# Allegro board RK3588S_Template_LP5D315P232SD10H2_42x42_2750MHz_1R2_V10_20220413YWQ.brd (continued)
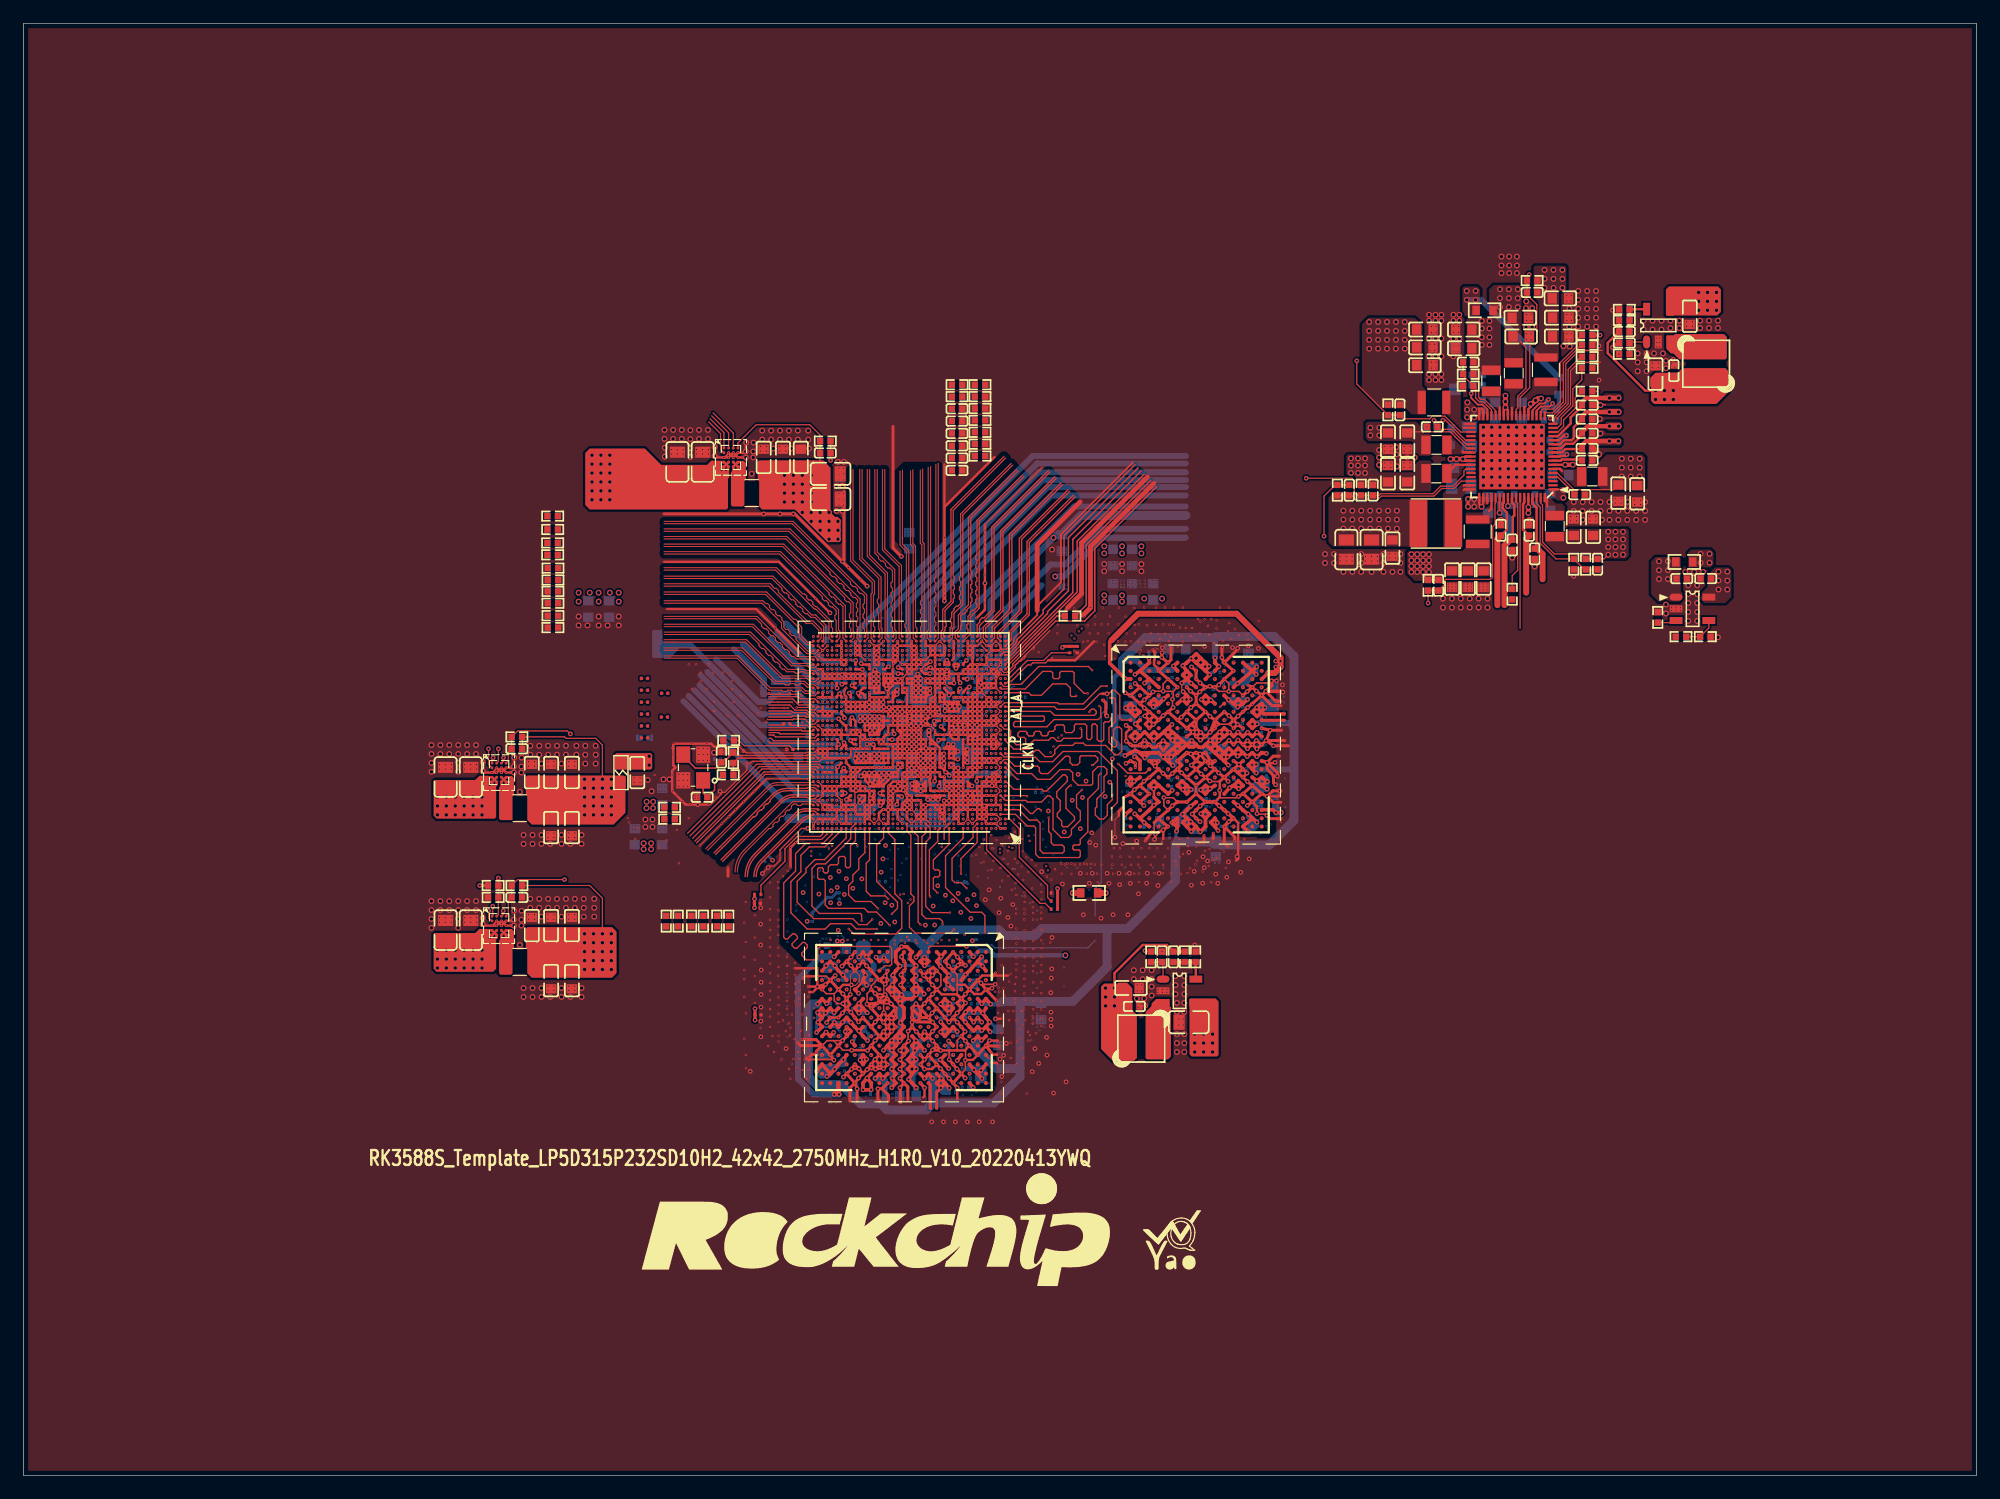
[diagram p0: board, top side]
## Routing (per net, layer and track width the routed paths; a pad name or vN(x,y) marks a point on that pad's centre or on a via; arc(x,y) is an arc through that point) (continued)
  TOP w0.107: v3(90.93,66.84) 90.62,66.84 89.77,67.69 89.77,68.58 89.64,68.71 88.66,68.71 88.54,68.59 88.54,68.21 88.42,68.09 88.06,68.09 87.94,68.21 87.94,68.59 87.82,68.71 87.09,68.71 85.59,67.21 83.58,67.21 U1000.AL2
  L3-S1 w0.064: v4(91.38,66.84) v3(90.93,66.84) ; v3(102.61,64.55) 102.89,64.26 v4(102.93,64.26)
  L6-S2 w0.081: v4(102.93,64.26) 103.38,64.71 103.38,65.15 103.29,65.24 102.61,65.24 102.6,65.25 102.39,65.25 102.23,65.41 102.23,65.79 101.92,66.1 101.92,66.25 100.82,67.36 99.17,67.36 99.15,67.34 98.62,67.34 98.52,67.44 98.23,67.44 98.16,67.36 98.16,67.22 98.08,67.14 97.83,67.14 97.75,67.22 97.75,67.75 97.52,67.98 97.52,68.39 97.12,68.8 96.91,68.8 96.84,68.73 96.84,68.42 97.05,68.21 97.05,68.07 96.92,67.94 96.57,67.94 95.81,67.19 95.81,66.71 95.73,66.63 95.02,66.63 94.75,66.36 94.09,66.36 93.46,66.98 93.16,66.98 92.9,67.24 91.78,67.24 91.66,67.12 91.66,66.72 91.59,66.64 91.46,66.64 91.38,66.72 v4(91.38,66.84)
DDR_CH0_A3_B: length 25.1
  TOP w0.107: v3(92.04,59.99) 92.02,59.99 91.85,59.82 91.85,58.71 90.94,57.8 90.94,55 90.3,54.36 90.3,53.99 90.19,53.88 89.77,53.88 89.66,53.77 89.66,53.56 89.77,53.45 90.19,53.45 90.3,53.35 90.3,52.92 90.19,52.81 86.76,52.81 86.49,53.09 86.49,55.35 86.33,55.5 85.76,55.5 84.76,56.5 U1000.D2
  L3-S1 w0.064: v3(97.76,60.36) 97.48,60.64 v4(97.48,60.65) ; v3(92.04,59.99) 92.04,60.29 v4(92.09,60.35)
  L6-S2 w0.081: v4(92.09,60.35) 95.91,60.35 96.56,61 97.14,61 v4(97.48,60.65)
DDR_CH0_A4_A: length 30
  TOP w0.107: v3(90.33,63.84) 90.42,63.75 90.42,63.12 90.29,63 88.88,63 88.64,62.75 88.32,62.75 88.02,63.06 87.82,63.06 87.59,62.83 86.32,62.83 86.11,62.61 86.11,62.19 85.99,62.07 84.61,62.07 83.89,62.79 U1000.Y1
  L3-S1 w0.064: v3(101.74,65.26) 101.95,65.06 v4(101.95,64.95) ; v4(90.59,64.09) 90.34,63.84 v3(90.33,63.84)
  L6-S2 w0.081: v4(101.95,64.95) 101.91,64.91 101.81,64.91 101.73,64.83 101.73,63.29 101.6,63.16 94.12,63.16 93.86,63.42 93.69,63.42 93.1,64.01 92.33,64.01 92.2,64.14 91.29,64.14 91.02,63.86 91.02,63 90.94,62.92 87.96,62.92 87.89,62.99 87.89,63.26 87.97,63.34 90.16,63.34 90.55,63.73 90.55,64.06 v4(90.59,64.09)
DDR_CH0_A4_B: length 25.3
  TOP w0.107: U1000.E1 85.04,56.9 85.93,56.01 86.61,56.01 86.87,55.75 86.87,53.44 87.12,53.19 88.77,53.19 88.93,53.35 88.93,53.7 88.75,53.88 88.01,53.88 87.81,54.08 87.81,54.81 87.6,55.02 v3(87.59,56.22)
  L3-S1 w0.064: v3(98.61,59.68) 98.47,59.55 v4(98.47,59.36) ; v3(87.59,56.22) 87.79,56.42 v4(87.9,56.42)
  L6-S2 w0.081: v4(98.47,59.36) 98.32,59.5 97.76,59.5 97.23,58.97 97.05,58.97 96.93,59.09 96.22,59.09 95.82,58.69 95.53,58.69 95.26,58.97 94.14,58.97 93.72,58.55 92.97,58.55 92.87,58.45 92.87,57.97 92.59,57.69 92.59,57.36 92.04,56.81 88.28,56.81 v4(87.9,56.42)
DDR_CH0_A5_A: length 30.6
  TOP w0.107: v3(92.56,67.46) 92.06,67.46 90.54,65.93 88.46,65.93 88.35,66.04 83.83,66.04 U1000.AG2
  L3-S1 w0.064: v4(104.47,64.41) 104.32,64.41 v3(104.15,64.57) ; v4(92.58,67.91) 92.56,67.89 v3(92.56,67.46)
  L6-S2 w0.081: v4(104.47,64.41) 104.47,65.02 104.14,65.35 104.14,65.87 103.33,66.67 103.33,67.94 102.51,68.77 101.09,68.77 100.89,68.57 98.73,68.57 98.54,68.75 98.09,68.75 97.37,69.47 95.8,69.47 94.9,70.37 93.87,70.37 93.8,70.3 93.8,69.68 93.72,69.6 92.85,69.6 92.78,69.53 92.78,69.32 92.85,69.25 93.46,69.25 93.8,68.91 93.8,68.25 93.46,67.91 92.62,67.91 92.62,67.92 v4(92.58,67.91)
DDR_CH0_A5_B: length 28.9
  TOP w0.107: v3(89.5,58.96) 89.41,58.96 89.08,58.63 89.08,57.02 89.8,56.29 89.8,56.03 89.22,55.44 88.83,55.44 88.71,55.56 88.71,55.92 88.34,56.3 88.34,56.59 88.58,56.84 88.58,57.69 88.29,57.98 88.29,58.43 89.19,59.33 89.19,59.68 89,59.87 88.81,59.87 87.43,58.49 87.17,58.49 87.02,58.64 84.62,58.64 83.96,59.3 U1000.L1
  TOP w0.119: v3(93.54,60.82) 94.34,60.02 95.86,60.02 U3900.P3
  L3-S1 w0.064: v3(89.5,58.96) 90.2,58.26 91.54,58.26 91.76,58.47 92.41,58.47 92.49,58.55 92.49,58.86 92.27,59.08 92.03,59.08 91.97,59.15 91.97,59.59 92.09,59.71 93.1,59.71 93.23,59.84 93.23,60.41 93.12,60.53 92.91,60.53 92.84,60.45 92.84,60.09 92.76,60.01 92.51,60.01 92.45,60.07 92.45,60.67 92.62,60.83 93.52,60.83 93.53,60.82 v3(93.54,60.82)
DDR_CH0_A6_A: length 29.8
  TOP w0.107: v3(91.32,68.82) 91,69.13 86.75,69.13 85.22,67.6 84.37,67.6 84.19,67.42 83.77,67.42 U1000.AM2
  L3-S1 w0.064: v4(103.14,65.58) 103.35,65.37 v3(103.35,65.27) ; v3(91.32,68.82) 91.56,68.57 91.57,68.57 91.59,68.54 v4(91.62,68.54)
  L6-S2 w0.081: v4(103.14,65.58) 103.14,65.61 102.6,66.15 102.6,67.08 102.97,67.44 102.97,67.72 102.74,67.94 101.26,67.94 101.03,68.17 98.59,68.17 98.39,67.98 98.05,67.98 97.84,68.19 97.84,68.47 97.16,69.15 94.98,69.15 94.87,69.04 94.87,68.89 94.95,68.81 95.29,68.81 95.37,68.74 95.37,68.63 95.44,68.55 95.83,68.55 95.91,68.47 95.91,68.24 95.83,68.17 95.44,68.17 95.37,68.09 95.37,67.39 95.5,67.26 95.5,67.09 95.4,66.98 94.96,66.98 94.71,67.24 93.42,67.24 93.1,67.55 91.67,67.55 91.4,67.83 91.4,68.37 91.57,68.54 v4(91.62,68.54)
DDR_CH0_A6_B: length 25.8
  TOP w0.107: v3(85.75,58.05) 85.7,58.1 U1000.H1
  L3-S1 w0.064: v3(85.75,58.05) 85.89,57.92 v4(86.13,57.92) ; v3(97.02,59.61) 97,59.61 v4(96.75,59.85)
  L6-S2 w0.081: v4(86.13,57.92) 86.13,58.21 86.24,58.31 86.76,58.31 86.84,58.39 86.84,59.56 86.91,59.64 87.18,59.64 87.26,59.56 87.26,58.05 87.33,57.97 87.56,57.97 87.64,58.05 87.64,59.56 87.71,59.64 87.94,59.64 88.02,59.56 88.02,58.02 88.09,57.95 88.33,57.95 88.4,58.02 88.4,59.55 88.48,59.63 88.7,59.63 88.78,59.55 88.78,58.47 88.86,58.39 89.09,58.39 89.16,58.47 89.16,59.53 89.23,59.6 89.55,59.6 89.62,59.53 89.62,58.38 89.7,58.31 90.08,58.31 90.2,58.42 90.2,58.83 90.38,59.01 90.99,59.01 91.48,59.51 91.9,59.51 92.46,60.07 96.53,60.07 v4(96.75,59.85)
DDR_CH0_CLKN_A: length 30.6
  L3-S1 w0.066: v4(101.33,64.04) 101.12,64.04 v3(100.96,63.88) ; v3(83.89,63.3) 83.9,63.31 88.64,63.31 v3(88.7,63.25) 88.76,63.31 92.11,63.31 92.23,63.43 v4(92.23,63.59)
  L8-S3 w0.066: v4(101.33,64.04) 101.33,64.19 101.23,64.29 101.12,64.29 100.84,64.01 100.67,64.01 100.5,63.84 100.38,63.84 100.15,64.07 100.15,64.65 99.98,64.81 99.79,64.81 99.73,64.75 99.73,64.43 99.87,64.3 99.87,64.14 99.73,64 99.73,63.8 99.1,63.17 98.74,63.17 98.49,63.42 94.09,63.42 93.38,64.14 91.63,64.14 90.75,63.26 89.47,63.26 88.98,62.76 88.37,62.76 88.31,62.7 88.31,62.26 88.37,62.2 89.71,62.2 90.15,62.64 91.52,62.64 92.23,63.35 v4(92.23,63.59)
DDR_CH0_CLKN_B: length 25.2
  L3-S1 w0.066: v3(83.91,62.09) 83.92,62.08 84.03,62.08 84.07,62.11 85.72,62.11 86,61.84 87.48,61.84 87.73,62.09 87.81,62.09 v3(88.02,62.29) 88.02,62.35 88.14,62.46 93.24,62.46 93.5,62.21 95.26,62.21 95.44,62.03 96.24,62.03 96.47,62.26 96.8,62.26 96.91,62.36 97.86,62.36 97.97,62.25 98.34,62.25 98.83,62.74 99.16,62.74 99.65,62.25 102.18,62.25 102.35,62.08 102.35,61.46 102.18,61.3 100.88,61.3 100.72,61.13 100.46,61.13 100.45,61.13 100.26,60.95 100.16,60.95 99.99,61.12 99.92,61.12 99.81,61.01 99.68,61.01 99.43,61.26 99.28,61.26 99.09,61.08 99.09,60.75 99.23,60.62 99.39,60.62 99.47,60.7 99.47,60.91 v3(99.4,60.99)
DDR_CH0_CLKP_A: length 30.8
  L3-S1 w0.066: v3(83.49,63.3) 83.56,63.3 83.8,63.07 83.99,63.07 84.04,63.12 84.04,63.12 84.06,63.14 88.34,63.14 v3(88.42,63.06) 88.49,62.99 88.82,62.99 88.96,63.14 92.19,63.14 92.24,63.19 v4(92.56,63.19) ; v4(100.69,64.37) 100.78,64.37 v3(100.99,64.58)
  L8-S3 w0.066: v4(92.56,63.19) 92.31,63.19 91.59,62.47 90.22,62.47 89.78,62.03 88.3,62.03 88.14,62.19 88.14,62.77 88.3,62.93 88.91,62.93 89.4,63.43 90.68,63.43 91.56,64.31 93.45,64.31 94.16,63.6 98.56,63.6 98.81,63.35 99.03,63.35 99.56,63.87 99.56,64.82 99.72,64.99 100.05,64.99 100.32,64.72 100.32,64.27 100.38,64.21 100.58,64.21 100.62,64.22 v4(100.69,64.37)
DDR_CH0_CLKP_B: length 25
  L3-S1 w0.066: v3(83.51,62.09) 83.55,62.09 83.55,62.03 83.73,61.86 84.19,61.86 84.26,61.93 85.66,61.93 85.93,61.67 87.55,61.67 87.67,61.79 v3(87.76,61.79) 87.81,61.84 87.89,61.84 88.35,62.29 93.17,62.29 93.42,62.04 95.19,62.04 95.37,61.85 96.31,61.85 96.54,62.08 96.87,62.08 96.98,62.19 97.78,62.19 97.9,62.07 98.42,62.07 98.91,62.57 99.08,62.57 99.57,62.07 102.11,62.07 102.18,62.01 102.18,61.53 102.11,61.47 100.81,61.47 100.64,61.3 99.64,61.3 99.5,61.44 99.2,61.44 98.92,61.15 98.92,60.68 99.19,60.41 99.34,60.41 v3(99.37,60.38)
DDR_CH0_DM0_A: length 27.6
  L3-S1 w0.076: v4(96.79,70.06) 96.79,69.68 v3(96.94,69.52) ; v4(88.12,66.8) 88.12,66.44 86.58,64.9 83.89,64.9 v3(83.89,64.9)
  L8-S3 w0.076: v4(96.79,70.06) 96.88,70.15 96.88,70.27 96.81,70.35 96.06,70.35 95.75,70.65 95.75,70.79 95.9,70.93 96.49,70.93 96.68,70.75 96.92,70.75 96.99,70.82 96.99,71.15 96.92,71.23 91.9,71.23 91.82,71.15 91.82,70.96 91.75,70.88 91.37,70.88 91.29,70.96 91.29,71.15 91.21,71.23 89.94,71.23 89.77,71.05 89.77,69.67 89.61,69.51 89.23,69.51 89.15,69.43 89.15,69.27 89.07,69.19 88.8,69.19 88.61,69.38 88.36,69.38 88.26,69.28 88.26,69.03 88.43,68.86 88.43,68.56 88.31,68.44 87.85,68.44 87.78,68.52 87.78,69.03 87.7,69.1 87.47,69.1 87.4,69.03 87.4,68.46 87.85,68.02 88.26,68.02 88.34,67.94 88.34,67.57 88.26,67.49 87.93,67.49 87.74,67.3 87.74,66.48 87.94,66.28 88.11,66.28 88.28,66.45 88.28,66.64 v4(88.12,66.8)
DDR_CH0_DM0_B: length 31.7
  L3-S1 w0.076: v4(86.25,62.36) 86.13,62.48 83.06,62.48 82.67,62.1 v3(82.29,62.1) ; v3(103.34,55.48) 103.41,55.41 103.41,55.2 103.32,55.11 v4(103.29,55.11)
  L8-S3 w0.076: v4(103.29,55.11) 103.39,55.02 103.39,54.43 103.03,54.08 99.59,54.08 98.13,52.62 89.27,52.62 87.65,54.24 87.65,55.54 88.25,56.14 88.25,59.56 87.2,60.61 87.2,61.42 v4(86.25,62.36)
DDR_CH0_DM1_A: length 30.3
  L3-S1 w0.076: v3(103.4,69.54) 103.4,69.59 103.44,69.63 103.44,69.91 v4(103.45,70.17) ; v3(82.69,66.9) 82.69,66.9 82.92,67.13 83.27,67.13 83.37,67.03 84.69,67.03 86.83,69.17 87.72,69.17 v4(88.35,69.8)
  L6-S2 w0.107: v4(88.35,69.8) 88.35,70.87 89.08,71.59 89.43,71.59 89.88,71.14 90.29,71.14 90.86,71.71 103.29,71.71 103.48,71.53 103.48,71.13 103.55,71.06 103.77,71.06 103.84,71.13 103.84,71.52 103.93,71.61 104.11,71.61 104.22,71.5 104.22,69.19 104.11,69.09 103.89,69.09 103.75,69.22 103.75,70.01 103.59,70.17 v4(103.45,70.17)
DDR_CH0_DM1_B: length 23.1
  L3-S1 w0.076: v4(97.08,54.52) 97.08,54.89 96.96,55.01 96.96,55.36 v3(97,55.4) ; v3(83.51,57.69) 83.52,57.69 83.55,57.69 83.61,57.62 85.15,57.62 87.79,55 v4(88.43,55)
  L6-S2 w0.107: v4(97.08,54.52) 97.23,54.38 97.23,53.74 97.3,53.66 97.81,53.66 97.89,53.59 97.89,53.18 97.89,52.25 97.81,52.18 97.31,52.18 97.24,52.25 97.24,52.52 97.16,52.59 96.93,52.59 96.86,52.52 96.86,52.25 96.78,52.18 96.55,52.18 96.48,52.25 96.48,52.52 96.4,52.59 96.17,52.59 96.09,52.52 96.09,52.25 96.02,52.18 95.79,52.18 95.71,52.25 95.71,52.52 95.64,52.59 95.41,52.59 95.33,52.52 95.33,52.25 95.26,52.18 90.32,52.18 88.43,54.07 v4(88.43,55)
DDR_CH0_DQ0_A: length 25.8
  L3-S1 w0.076: v4(91.59,69.72) 91.59,69.99 91.51,70.06 91.14,70.06 91.06,69.99 91.06,69.32 90.99,69.24 90.68,69.24 90.61,69.32 90.61,69.69 90.53,69.77 90.3,69.77 90.23,69.69 90.23,69.5 89.78,69.05 88.92,69.05 88.21,68.34 87.05,68.34 v3(85.24,66.53) 85.06,66.35 84.15,66.35 84.07,66.27 83.72,66.27 83.72,66.28 v3(83.49,66.5) ; v3(94.61,67.33) 94.37,67.58 v4(94.3,67.58)
  L8-S3 w0.076: v4(94.3,67.58) 94.52,67.36 94.52,66.44 94.6,66.36 94.94,66.36 95.01,66.43 95.01,67.03 95.4,67.42 95.4,67.91 95.24,68.07 94.81,68.07 94.55,68.33 94.55,68.53 94.41,68.67 93.78,68.67 93.43,69.03 93.43,69.14 93.5,69.21 93.73,69.21 93.81,69.29 93.81,69.52 93.73,69.59 93.48,69.59 93.41,69.67 93.41,69.9 93.48,69.97 94.18,69.97 94.26,69.9 94.26,69.17 94.33,69.09 94.64,69.09 94.64,69.1 94.79,69.24 94.79,70.04 94.48,70.35 92.7,70.35 91.95,69.6 91.71,69.6 v4(91.59,69.72)
DDR_CH0_DQ0_B: length 31.2
  L3-S1 w0.076: v3(105.76,57.6) 105.76,57.56 105.94,57.39 v4(106.05,57.39) ; v4(92.75,61.75) 92.62,61.88 88.83,61.88 88.67,61.72 88.38,61.72 87.92,61.27 85.67,61.27 85.38,61.56 84.55,61.56 84.49,61.5 83.29,61.5 v3(83.09,61.7)
  L6-S2 w0.107: v4(92.75,61.75) 92.89,61.89 95.77,61.89 95.94,62.07 102.46,62.07 102.77,61.75 103.24,61.75 103.38,61.62 103.38,61.37 103.61,61.14 104.08,61.14 104.19,61.04 104.19,59.61 103.48,58.9 103.48,58.55 103.22,58.3 102.97,58.3 102.66,57.99 102.66,57.46 103.22,56.9 104.77,56.9 105,57.13 105,57.42 105.15,57.57 105.86,57.57 v4(106.05,57.39)
DDR_CH0_DQ1_A: length 29.8
  L3-S1 w0.076: v4(93.09,68.82) 94.06,68.82 94.82,68.06 v3(95.36,68.06) ; v3(82.69,63.7) U1000.AB4 82.94,63.95 88.41,63.95 89.02,64.56 89.45,64.56 89.76,64.87 89.76,65.07 v4(89.69,65.14)
  L8-S3 w0.076: v4(89.69,65.14) 89.57,65.02 88.76,65.02 88.11,64.36 86.92,64.36 86.7,64.59 86.7,65.44 86.62,65.51 86.34,65.51 86.27,65.44 86.27,64.3 86.51,64.05 88.22,64.05 88.95,64.78 90.36,64.78 90.58,65 90.58,65.3 90.41,65.47 90.41,66.21 90.47,66.27 90.47,66.53 89.88,67.11 89.88,68.73 90.11,68.96 91.06,68.96 91.13,68.89 92.1,68.89 92.2,68.99 92.2,69.44 92.44,69.68 92.77,69.68 92.97,69.48 92.97,68.95 93.09,68.83 v4(93.09,68.82)
DDR_CH0_DQ1_B: length 31.6
  L3-S1 w0.076: v3(82.29,63.3) 82.62,63.3 83.21,62.72 87.37,62.72 v4(87.49,62.6) ; v3(104.96,56.87) 104.96,56.87 104.96,57.72 104.53,58.16 104.53,58.56 104.99,59.03 104.99,60.95 104.84,61.1 104.27,61.1 104.2,61.17 104.2,63.03 104.03,63.19 94,63.19 v4(93.74,62.94)
  L6-S2 w0.107: v4(93.74,62.94) 93.74,62.85 93.43,62.53 92.02,62.53 91.94,62.45 91.25,62.45 91.17,62.38 91.17,62.16 91.09,62.08 90.87,62.08 90.79,62.16 90.79,62.38 90.71,62.45 90.48,62.45 90.41,62.38 90.41,62.16 90.33,62.08 90.1,62.08 90.03,62.16 90.03,62.38 89.95,62.45 89.72,62.45 89.65,62.38 89.65,62.16 89.57,62.08 89.34,62.08 89.27,62.16 89.27,62.35 89.19,62.42 87.63,62.42 87.49,62.56 v4(87.49,62.6)
DDR_CH0_DQ2_A: length 25.9
  L3-S1 w0.076: v3(95.36,66.69) 95.36,66.66 95.35,66.66 95.35,65.35 95.08,65.08 94.68,65.08 94.55,65.21 94.55,66.07 94.43,66.2 93.81,66.2 93.73,66.27 93.73,66.8 93.34,67.18 92.3,67.18 92.22,67.26 92.22,68.31 92.05,68.48 92.05,68.9 92.36,69.22 94.68,69.22 94.75,69.29 94.75,69.47 94.67,69.55 92.2,69.55 92.12,69.63 92.12,70.19 91.93,70.38 91.93,70.79 91.85,70.87 91.7,70.87 91.62,70.79 91.62,70.43 91.55,70.36 91.39,70.36 91.32,70.43 91.32,70.66 91.24,70.74 91.09,70.74 91.01,70.66 91.01,70.43 90.94,70.36 90.42,70.36 89.9,69.83 89.9,69.53 89.73,69.36 88.83,69.36 88.11,68.64 86.99,68.64 84.93,66.58 83.96,66.58 83.89,66.51 v3(83.89,66.51)
DDR_CH0_DQ2_B: length 30.3
  L3-S1 w0.076: v4(91.59,61.5) 91.68,61.5 91.92,61.26 91.92,60.92 91.18,60.18 91.18,59.6 91.31,59.46 91.31,59.23 91.07,58.99 90.11,58.99 89.83,59.26 88.61,59.26 87.98,59.9 84.91,59.9 84.71,60.1 v3(83.89,60.1) ; v4(105.13,58.62) 105.19,58.57 105.19,58.46 v3(104.96,58.23)
  L6-S2 w0.107: v4(105.13,58.62) 105.17,58.58 105.65,58.58 105.78,58.7 105.78,62.24 105.59,62.43 103.97,62.43 103.92,62.49 102.93,62.49 102.83,62.39 95.13,62.39 94.96,62.21 92.15,62.21 91.74,61.8 91.74,61.65 v4(91.59,61.5)
DDR_CH0_DQ3_A: length 29.4
  L3-S1 w0.076: v3(96.17,67.37) 96.17,64.34 96.04,64.21 95.68,64.21 95.61,64.28 95.61,64.52 95.43,64.7 94.54,64.7 94.09,65.15 93.83,65.15 93.73,65.05 93.73,64.34 93.61,64.22 93.37,64.22 93.11,64.47 92.42,64.47 92.04,64.84 v4(92.04,64.85) ; v3(83.1,63.68) 83.1,63.68 83.14,63.72 89.01,63.72 89.08,63.8 v4(89.08,63.87)
  L8-S3 w0.076: v4(89.08,63.87) 89.08,63.8 88.77,63.48 88.05,63.48 87.62,63.05 87.41,63.05 87.33,63.13 87.33,63.4 87.26,63.47 87.03,63.47 86.95,63.4 86.95,63.13 86.88,63.05 86.65,63.05 86.57,63.13 86.57,63.4 86.5,63.47 86.27,63.47 86.19,63.4 86.19,63.04 86.08,62.92 85.72,62.92 85.48,63.16 85.48,64.54 85.56,64.61 85.79,64.61 85.87,64.54 85.87,64.27 86.37,63.77 88.43,63.77 89.18,64.52 90.44,64.52 90.88,64.96 91.17,64.96 91.17,64.96 91.37,64.96 91.37,64.96 91.93,64.96 v4(92.04,64.85)
DDR_CH0_DQ3_B: length 32.3
  L3-S1 w0.076: v3(82.29,61.7) 82.88,61.11 83.57,61.11 83.63,61.05 85.19,61.05 85.43,60.81 88.14,60.81 88.55,61.23 88.86,61.23 89.07,61.02 89.74,61.02 90.15,61.42 v4(90.2,61.42) ; v4(104.57,60.75) 104.05,60.23 104.05,59.07 104.24,58.88 104.24,57.66 v3(104.16,57.59)
  L8-S3 w0.076: v4(90.2,61.42) 90.2,61.48 90.62,61.9 91.91,61.9 92.27,62.27 95.26,62.27 95.39,62.14 95.67,62.14 95.79,62.27 96.02,62.27 96.1,62.19 96.1,61.95 96.17,61.87 96.4,61.87 96.48,61.95 96.48,62.19 96.56,62.27 96.78,62.27 96.86,62.19 96.86,61.95 96.94,61.87 97.17,61.87 97.24,61.95 97.24,62.19 97.32,62.27 97.78,62.27 98.04,62.01 99.78,62.01 100.16,62.4 100.96,62.4 102.31,61.04 103.4,61.04 103.47,61.11 105.66,61.11 105.76,61.01 105.76,60.56 105.57,60.37 104.95,60.37 v4(104.57,60.75)
DDR_CH0_DQ4_A: length 30.2
  L3-S1 w0.076: v3(82.29,63.7) 82.39,63.8 82.77,64.18 88.14,64.18 88.77,64.81 88.77,64.92 v4(88.37,65.31) ; v3(97.83,68.78) 98.56,68.78 98.67,68.89 98.67,69.65 v4(98.45,69.88)
  L8-S3 w0.076: v4(98.45,69.88) 98.67,70.11 98.67,70.87 98.05,71.49 87.87,71.49 86.64,70.26 86.64,68.83 87.4,68.07 87.4,66.08 87.73,65.76 87.88,65.76 88.19,66.06 88.51,66.06 88.59,65.99 88.59,65.52 88.38,65.31 v4(88.37,65.31)
DDR_CH0_DQ4_B: length 31.2
  L3-S1 w0.076: v4(102.46,54.55) 102.46,54.79 102.73,55.05 102.73,55.21 102.65,55.28 102.5,55.28 102.38,55.4 102.38,55.87 v3(102.59,56.09) ; v3(82.69,60.5) 82.94,60.75 83.25,60.75 83.41,60.6 84.94,60.6 85.18,60.35 88.36,60.35 88.58,60.14 v4(88.67,60.14)
  L8-S3 w0.076: v4(88.67,60.14) 88.67,60.03 88.58,59.95 88.58,58.34 88.66,58.27 88.76,58.27 88.83,58.19 88.83,57.96 88.76,57.89 88.66,57.89 88.58,57.81 88.58,55.87 87.96,55.25 87.96,54.38 88.36,53.99 88.46,53.99 88.7,54.22 88.8,54.22 88.97,54.06 88.97,53.95 88.73,53.72 88.73,53.61 89.41,52.93 97.93,52.93 99.44,54.44 102.35,54.44 v4(102.46,54.55)
DDR_CH0_DQ5_A: length 29.1
  L3-S1 w0.076: v4(87.41,64.73) 87.09,64.41 82.73,64.41 82.3,64.83 82.3,64.89 v3(82.29,64.9) ; v3(98.56,68.03) 98.81,68.28 99.19,68.28 99.41,68.49 99.41,70.53 v4(99.22,70.71)
  L8-S3 w0.076: v4(99.22,70.71) 99.22,70.8 98.26,71.76 87.66,71.76 86.3,70.4 86.3,68.61 87.1,67.81 87.1,65.97 87.64,65.43 87.64,65.3 87.41,65.07 v4(87.41,64.73)
DDR_CH0_DQ5_B: length 31.8
  L3-S1 w0.076: v4(101.84,56.41) 101.83,56.41 101.8,56.44 v3(101.8,56.86) ; v3(83.09,60.5) 83.22,60.37 84.84,60.37 85.08,60.12 88.13,60.12 88.71,59.55 89.95,59.55 90.02,59.47 v4(90.31,59.47)
  L8-S3 w0.076: v4(101.84,56.41) 102.2,56.76 102.48,56.76 102.75,57.03 102.83,57.03 103.46,57.65 103.46,59.36 103.16,59.66 102.53,59.66 102.47,59.72 101.92,59.72 101.85,59.66 100.94,59.66 100.81,59.53 98.93,59.53 98.7,59.76 98.4,59.76 98.23,59.6 97.1,59.6 96.95,59.45 96.32,59.45 96.24,59.53 96.24,60.41 96.16,60.49 95.99,60.49 95.91,60.41 95.91,59.89 95.84,59.81 95.61,59.81 95.53,59.89 95.53,60.41 95.45,60.49 95.23,60.49 95.15,60.41 95.15,59.89 95.07,59.81 94.84,59.81 94.77,59.89 94.77,60.41 94.69,60.49 94.46,60.49 94.39,60.41 94.39,59.89 94.31,59.81 94.08,59.81 94.01,59.89 94.01,60.41 93.93,60.49 93.7,60.49 93.63,60.41 93.63,59.97 93.55,59.9 93.32,59.9 93.24,59.97 93.24,60.41 93.17,60.49 92.6,60.49 92.49,60.38 92.49,59.81 92.36,59.68 90.52,59.68 v4(90.31,59.47)
DDR_CH0_DQ6_A: length 27.6
  L3-S1 w0.076: v4(98.47,66.99) 98.62,66.84 v3(98.62,66.66) ; v3(83.49,64.9) 83.76,64.63 86.77,64.63 88.59,66.46 89.04,66.46 89.32,66.74 v4(89.32,66.93)
  L8-S3 w0.076: v4(89.32,66.93) 89.32,67.09 89.24,67.17 89.01,67.17 88.93,67.24 88.93,67.53 89.01,67.61 89.51,67.61 89.61,67.71 89.61,68.84 90.31,69.53 90.41,69.53 90.7,69.25 90.81,69.25 90.97,69.41 90.97,69.52 90.68,69.8 90.68,69.91 90.9,70.13 91.94,70.13 92.46,70.65 94.75,70.65 95.18,70.22 95.18,70.12 95.18,69.71 95.28,69.61 95.28,69.1 95.18,69 95.18,68.84 95.33,68.69 96.9,68.69 96.98,68.61 96.98,68.26 97.05,68.18 97.28,68.18 97.36,68.26 97.36,68.61 97.44,68.69 97.63,68.69 97.73,68.6 97.73,68.1 97.82,68.01 98.47,68.01 98.54,67.93 98.54,67.77 98.47,67.69 97.45,67.69 97.38,67.61 97.38,67.49 97.45,67.42 97.57,67.42 97.85,67.13 97.96,67.13 98.25,67.42 98.61,67.42 98.74,67.29 98.74,67.12 98.6,66.99 v4(98.47,66.99)
DDR_CH0_DQ6_B: length 32.2
  L3-S1 w0.076: v4(89.06,61.5) 89.03,61.47 88.45,61.47 88.02,61.04 v3(85.56,61.04) 85.32,61.28 83.75,61.28 83.71,61.32 83.07,61.32 v3(82.69,61.7) ; v4(101.15,58.12) 101.3,58.27 v3(101.76,58.27)
  L8-S3 w0.076: v4(101.15,58.12) 101.37,57.9 101.37,57.71 101.23,57.57 101.01,57.57 100.8,57.78 99.88,57.78 99.63,58.03 98.55,58.03 98.24,57.72 97.71,57.72 97.17,57.18 97.17,56.52 96.94,56.29 96.33,56.29 96.04,56.58 95.68,56.58 95.34,56.91 94.07,56.91 93.6,56.44 91.25,56.44 90.75,56.94 90.75,57.69 90.81,57.75 90.81,58.16 90.68,58.29 89.71,58.29 89.4,58.6 88.98,58.6 88.9,58.67 88.9,58.9 88.98,58.98 89.44,58.98 89.52,59.05 89.52,59.28 89.44,59.36 88.98,59.36 88.9,59.43 88.9,59.66 88.98,59.74 89.42,59.74 89.49,59.81 89.49,60.53 89.42,60.61 89.29,60.61 89.27,60.63 88.99,60.63 88.98,60.61 88.96,60.61 88.86,60.51 88.3,60.51 88.2,60.41 87.8,60.41 87.55,60.66 87.55,61.6 87.63,61.68 87.94,61.68 88.18,61.44 89,61.44 v4(89.06,61.5)
DDR_CH0_DQ7_A: length 27.6
  L3-S1 w0.076: v4(97.53,65.69) 97.59,65.69 v3(97.86,65.96) ; v4(90.64,67.56) 90.5,67.69 90.3,67.69 89.9,67.29 88.02,67.29 87.74,67.01 87.74,66.46 86.44,65.17 83.22,65.17 v3(83.1,65.29)
  L8-S3 w0.076: v4(97.53,65.69) 97.53,65.84 97.45,65.91 97,65.91 96.92,65.99 96.92,66.46 96.85,66.54 96.27,66.54 96.2,66.47 96.2,64.56 96.08,64.44 96.08,64.11 96.01,64.03 95.62,64.03 95.55,64.11 95.55,64.44 95.44,64.56 93.87,64.56 93.75,64.67 93.75,64.79 93.85,64.88 95.35,64.88 95.46,64.99 95.46,65.15 95.38,65.22 93.85,65.22 93.77,65.3 93.77,66.33 93.37,66.74 93.26,66.74 93.2,66.67 93.09,66.67 92.98,66.78 92.98,66.89 93.05,66.95 93.05,67.06 92.94,67.16 92.26,67.16 92.19,67.08 92.19,66.27 92.11,66.19 91.91,66.19 91.83,66.27 91.83,67.02 91.01,67.84 90.71,67.84 90.64,67.77 v4(90.64,67.56)
DDR_CH0_DQ7_B: length 31.6
  L3-S1 w0.076: v4(101.94,58.99) 101.97,58.96 v3(102.56,58.96) ; v4(89.84,60.32) 89.84,60.36 89.58,60.63 88.99,60.63 88.91,60.55 88.55,60.55 88.52,60.58 85.32,60.58 85.08,60.82 83.55,60.82 83.44,60.93 82.71,60.93 v3(82.29,60.51)
  L8-S3 w0.076: v4(101.94,58.99) 101.91,59.03 101.08,59.03 100.88,59.23 100.46,59.23 100.2,58.97 99.97,58.97 99.7,59.23 99.19,59.23 98.62,58.66 98.62,58.46 98.31,58.14 97.8,58.14 97.59,58.34 97.59,58.86 97.39,59.06 97.15,59.06 96.94,58.86 96.94,58.04 97.07,57.91 97.07,57.78 96.96,57.66 96.24,57.66 96.01,57.89 96.01,58.85 95.93,58.92 95.66,58.92 95.51,58.77 95.51,58.6 94.99,58.08 94.99,57.91 95.11,57.79 95.42,57.79 95.51,57.7 95.51,57.47 95.28,57.24 94.38,57.24 93.87,57.75 92.95,57.75 92.72,57.52 92.72,56.97 92.43,56.67 91.93,56.67 91.53,57.07 91.53,58.24 91.71,58.43 91.71,58.95 91.49,59.17 91.22,59.17 91.03,58.99 90.1,58.99 89.77,59.32 89.77,60.24 v4(89.84,60.32)
DDR_CH0_DQ8_A: length 31.5
  L3-S1 w0.076: v4(87.04,69.52) 86.84,69.52 84.58,67.26 83.55,67.26 83.5,67.31 82.7,67.31 v3(82.29,66.9) ; v3(105.76,67.36) 105.77,67.37 v4(105.77,70.02)
  L6-S2 w0.107: v4(87.04,69.52) 86.99,69.57 86.99,70.7 88.64,72.35 105.42,72.35 105.99,71.78 105.99,70.24 v4(105.77,70.02)
DDR_CH0_DQ8_B: length 24.4
  L3-S1 w0.076: v3(94.58,57.57) 94.56,57.59 94.22,57.59 94.14,57.51 94.14,57.02 93.76,56.64 93.76,56.28 94.11,55.93 94.11,55.25 93.83,54.97 93.83,54.56 94.11,54.29 94.51,54.29 94.58,54.21 94.58,54.04 v4(94.46,53.91) ; v4(90.54,53.57) 90.5,53.54 90.02,53.54 90.01,53.54 89.57,53.54 88.95,54.16 87.91,54.16 84.85,57.21 83.38,57.21 83.23,57.36 82.64,57.36 82.41,57.58 82.41,57.58 v3(82.29,57.7)
  L8-S3 w0.076: v4(94.46,53.91) 94.47,53.89 96.87,53.89 96.97,53.79 96.97,53.57 96.89,53.49 90.62,53.49 v4(90.54,53.57)
DDR_CH0_DQ9_A: length 30.3
  L3-S1 w0.076: v3(82.29,68.1) 82.29,68.1 82.29,68.06 82.86,67.49 83.58,67.49 83.6,67.46 84.4,67.46 87.62,70.67 v4(87.8,70.67) ; v3(104.96,68.07) 104.84,68.18 104.84,69.49 105.19,69.83 105.19,70.24 105.04,70.39 105.04,70.77 105.22,70.94 105.22,71.1 v4(105.25,71.13)
  L6-S2 w0.107: v4(87.8,70.67) 87.8,70.9 88.93,72.03 104.39,72.03 104.67,71.76 104.67,71.54 104.75,71.47 104.93,71.47 105.01,71.54 105.01,71.8 105.09,71.87 105.19,71.87 105.42,71.64 105.42,71.21 105.34,71.13 v4(105.25,71.13)
DDR_CH0_DQ9_B: length 23.9
  L3-S1 w0.076: v4(91.68,54.4) 91.68,55.56 91.58,55.66 91.31,55.66 91.11,55.86 89.34,55.86 89.08,56.12 88.73,56.12 88.52,56.33 88.52,56.58 87.47,57.62 87.47,57.82 87.02,58.27 83.33,58.27 v3(83.09,58.51) ; v4(95.49,54.59) 95.38,54.69 95.38,55.28 95.24,55.43 95.02,55.43 94.94,55.51 94.94,55.9 95.04,56 95.23,56 95.37,56.13 v3(95.37,56.88)
  L6-S2 w0.107: v4(95.49,54.59) 95.49,54.14 95.72,53.91 95.72,53.12 95.84,53 96.16,53 96.42,53.26 96.42,53.54 96.14,53.82 96.14,55.02 96.04,55.13 95.69,55.13 95.21,55.61 94.42,55.61 94.31,55.73 92.72,55.73 92.72,55.73 91.68,54.7 v4(91.68,54.4)
DDR_CH0_DQ10_A: length 29.2
  L3-S1 w0.076: v4(90.64,70.88) 90.54,70.88 90.42,70.99 89.68,70.99 89.56,71.12 87.69,71.12 84.24,67.67 83.12,67.67 82.69,68.1 v3(82.69,68.1) ; v4(105.25,66.4) v3(105,66.69)
  L6-S2 w0.107: v4(105.25,66.4) 104.95,66.7 104.95,68.38 104.6,68.74 103.19,68.74 102.9,69.03 102.9,71.26 102.77,71.39 91.16,71.39 v4(90.64,70.88)
DDR_CH0_DQ10_B: length 24.7
  L3-S1 w0.076: v3(95.39,58.3) 95.32,58.3 95.25,58.23 94.48,58.23 94.15,58.55 92.87,58.55 92.76,58.44 92.76,57.83 92.45,57.52 92.45,56.39 92.81,56.03 92.81,56.03 92.86,55.98 92.86,54.44 93.25,54.05 v4(93.25,54.02) ; v4(89.65,54.01) 89.61,54.01 89.06,54.57 87.88,54.57 85.03,57.42 83.44,57.42 83.27,57.59 82.81,57.59 v3(82.7,57.69)
  L6-S2 w0.107: v4(93.25,54.02) 93.09,53.86 93.09,53.63 93.27,53.45 93.71,53.45 93.8,53.36 93.8,53.07 93.59,52.86 92.44,52.86 92.36,52.94 92.36,53.55 92.29,53.63 92.06,53.63 91.98,53.55 91.98,52.94 91.9,52.86 91.21,52.86 91.05,53.02 91.05,53.64 90.73,53.95 90.73,54.08 90.31,54.51 90.15,54.51 v4(89.65,54.01)
